# Altium PCB Nestling_2.1.PcbDoc (continued)
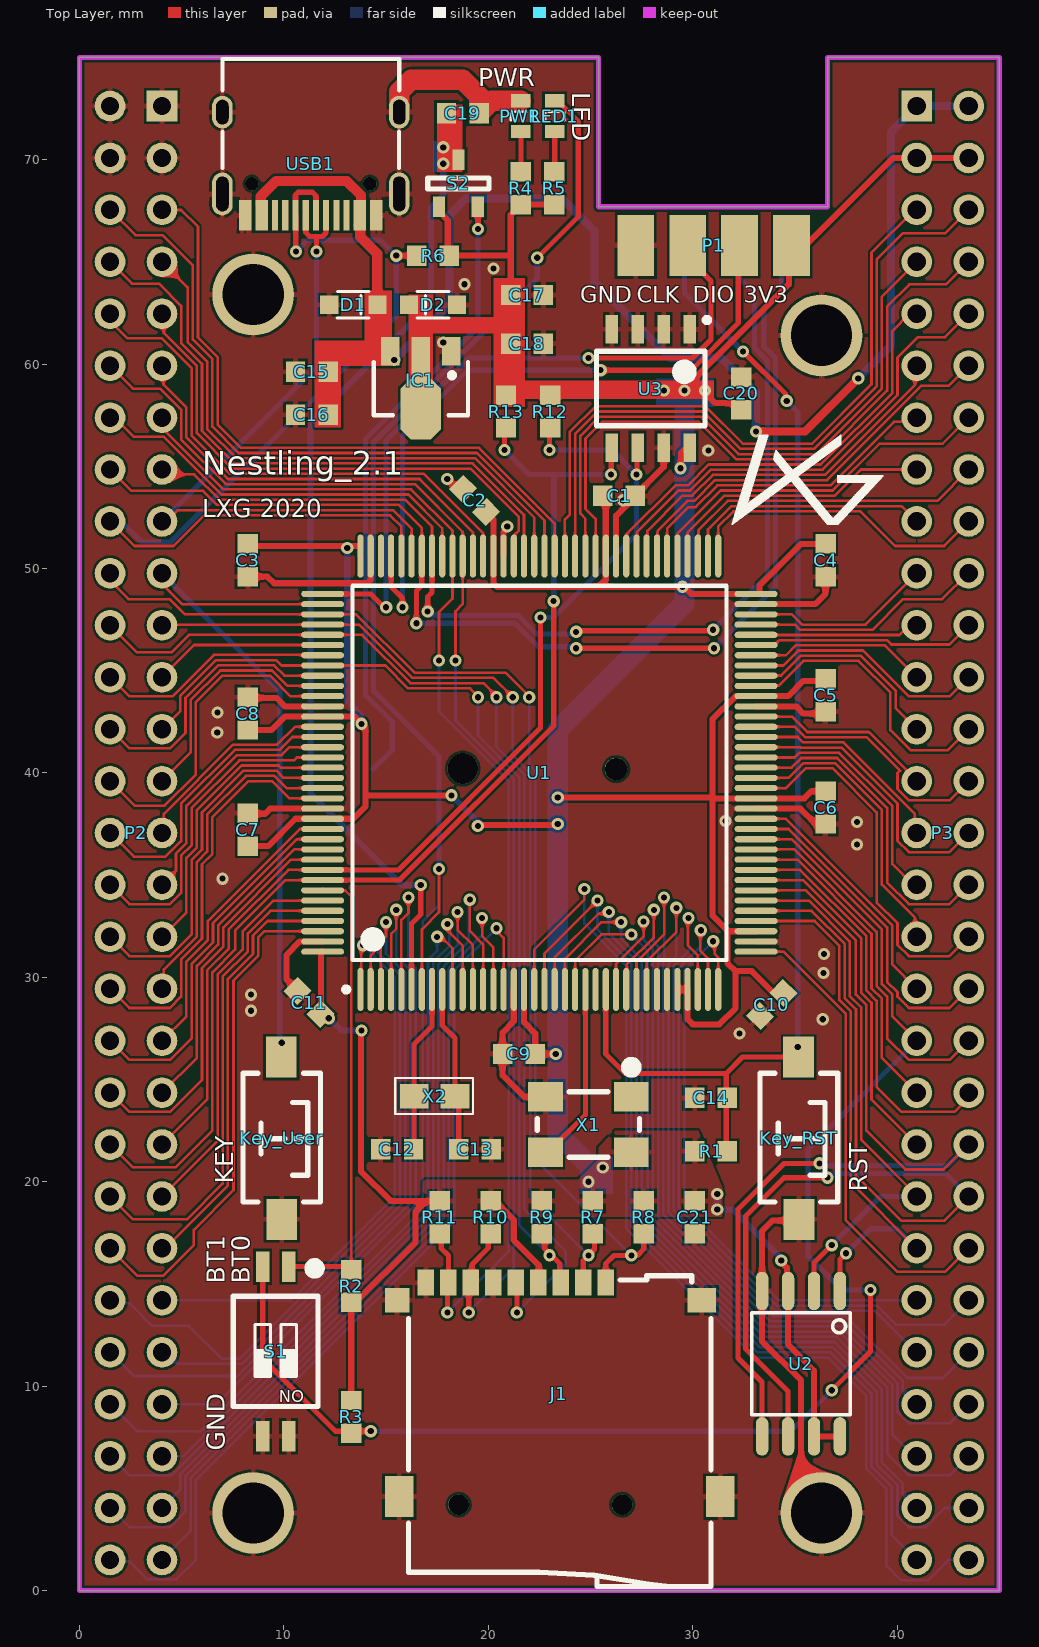
[diagram p0: Top Layer view]
## Nets (pads, with @x,y where several pads share a name; then routed paths per layer and width w, separated by ;. In a path a pad name is that pad's centre, name@x,y a point inside that pad or via, vN(x,y) a via of type N, cw(c..) or ccw(c..) an arc to the next point about the centre after c; other vN are vias at no path point) (continued)
  Bottom Layer w0.254: P2.19 9.8,44 9.8,26.9 v1(9.9,26.8)
"LED PC13": LED1.2 P2.52 U1.7 | length 87.3
  Top Layer w0.127: U1.7 16.75,32.35 17.592,33.192 v1(17.592,35.3)
  Top Layer w0.254: v1(22.4,65.2) 24.4,67.2 24.4,71.874 23.4,72.874 LED1.2 LED1.2@23.1,72.874
  Bottom Layer w0.127: P2.52 2.82,7.8 5.945,7.8 16.8,18.655 16.8,32.754 17.592,33.546 v1(17.592,35.3)
  Bottom Layer w0.254: v1(17.592,35.3) 17.592,40.808 14.381,44.019 14.381,56.159 22.4,64.178 v1(22.4,65.2)
NetB1_1: B1.1 S2.2 | length 30.7
  Top Layer w0.254: S2.2 19.496,67.68 19.496,66.604 v1(19.5,66.6)
  Bottom Layer w0.254: B1.1 15.3,41.122 15.3,42.5 14,43.8 14,56.316 19.5,61.816 v1(19.5,66.6)
NetLED1_1: LED1.1 R5.1 | length 2
  Top Layer w0.254: R5.1 23.25,69.425 LED1.1
NetPWR_1: PWR.1 R4.1 | length 2
  Top Layer w0.254: R4.1 PWR.1
NRST: C14.2 Key_RST.1 P1.7 R1.2 U1.25 | length 59.2
  Top Layer w0.254: U1.25 25.75,26.25 26.7,25.3 31.639,25.3 ; R1.2@31.664,21.485 31.639,21.51 31.639,25.3 ; v1(32.466,60.616) 34.534,58.548 34.534,58.266 v1(34.6,58.2) ; v1(35.141,26.6) 35.141,26.142 35.137,26.139 Key_RST.1@35.176,26.1 ; Key_RST.1 Key_RST.1@35.176,26.1 ; 31.639,25.3 32.439,26.1 Key_RST.1@35.176,26.1
  Bottom Layer w0.254: P1.7 29.6,65.644 29.6,63.482 v1(32.466,60.616) ; v1(34.6,58.2) 35.141,57.659 35.141,27.359 v1(35.141,26.6)
"OS 8M IN": U1.23 X1.3 | length 8.8
  Top Layer w0.254: X1.3 22.925,21.45 24.75,23.275 U1.23
"OS 32K IN": C12.1 U1.8 X2.2 | length 8.2
  Top Layer w0.254: C12.1 16.372,21.614 X2.2 16.372,26.727 17.25,27.605 U1.8
"OS 32K OUT": C13.1 U1.9 X2.1 | length 8.2
  Top Layer w0.254: U1.9 17.75,27.65 18.372,27.028 X2.1 18.553,24.012 C13.1
PA0: P3.49 U1.34 | length 34.7
  Top Layer w0.127: v1(29.8,32.9) 29.75,32.85 29.75,31.572 30.25,31.072 U1.34
  Bottom Layer w0.127: v1(29.8,32.9) 29.8,31.281 29.07,30.551 29.07,18.619 34.003,13.686 38.914,13.686 P3.49@40.95,11.65 ; P3.49 P3.49@40.95,11.65 ; P3.49@40.781,11.481 41.076,11.186 40.486,11.186 P3.49@40.781,11.481 ; P3.49@40.781,11.481 P3.49@40.95,11.65
PA1: P3.48 U1.35 | length 34.1
  Top Layer w0.127: v1(30.4,32.3) 30.362,32.262 30.362,31.319 30.75,30.931 U1.35
  Bottom Layer w0.127: v1(30.4,32.3) 30.4,31.522 29.324,30.446 29.324,18.725 34.109,13.94 39.019,13.94 39.959,13 42.3,13 P3.48
PA2: P3.47 U1.36 | length 29.3
  Top Layer w0.127: v1(31,31.763) 31.082,31.681 31.082,31.138 31.25,30.97 U1.36
  Bottom Layer w0.127: v1(31,31.763) 29.578,30.341 29.578,18.83 34.214,14.194 36.205,14.194 36.211,14.2 P3.47
PA3: P3.46 U1.37 | length 23.3
  Top Layer w0.127: U1.37 34.445,31.255 37.479,28.221 37.479,18.12 40,15.6 42.36,15.6 P3.46
PA4: P3.45 U1.40 U2.1 | length 27.3
  Top Layer w0.127: U1.40 35.962,32.755 37.175,31.542 37.175,28.884 37.733,28.326 37.733,19.967 P3.45
  Top Layer w0.254: U2.1 37.205,16.205 v1(37.5,16.5)
  Bottom Layer w0.254: v1(37.5,16.5) 38.7,17.7 40,17.7 P3.45
PA5: P3.44 U1.41 U2.6 | length 47.6
  Top Layer w0.127: U1.41 35.821,33.255 37.429,31.647 37.429,28.989 37.987,28.431 37.987,20.313 40.2,18.1 42.32,18.1 P3.44
  Top Layer w0.254: U2.6 34.665,9.755 32.6,11.82 32.6,18.332 34.468,20.2 v1(36.6,20.2)
  Bottom Layer w0.254: v1(36.6,20.2) 36.562,20.2 36.478,20.284 36.594,20.4 42.38,20.4 P3.44
PA6: P3.43 U1.42 U2.2 | length 27
  Top Layer w0.127: U1.42 35.68,33.755 37.683,31.752 37.683,29.095 38.241,28.536 38.241,22.059 40.96,19.34 P3.43
  Top Layer w0.254: U2.2 35.935,16.035 v1(36.8,16.9)
  Bottom Layer w0.254: v1(36.8,16.9) 39.18,19.28 P3.43
PA7: P3.42 U1.43 U2.5 | length 46
  Top Layer w0.127: U1.43 35.54,34.255 37.983,31.811 37.983,29.153 38.495,28.641 38.495,22.505 40.4,20.6 42.28,20.6 P3.42
  Top Layer w0.254: U2.5 33.395,10.205 32.219,11.381 32.219,18.658 34.461,20.9 v1(36.2,20.9)
  Bottom Layer w0.254: v1(36.2,20.9) 36.3,20.8 42.48,20.8 P3.42
PA8: P2.14 U1.100 | length 19.9
  Top Layer w0.127: P2.14 1.72,57.38 2.661,56.439 4.128,56.439 6.951,53.616 16.099,53.616 17.75,51.965 U1.100
PA9: P1.6 P2.15 U1.101 | length 53.6
  Top Layer w0.127: P2.15 4.28,54.6 5.608,54.6 6.846,53.362 15.938,53.362 17.25,52.05 U1.101
  Top Layer w0.254: v1(17.037,47.9) 17.037,48.618 17.25,48.831 U1.101 ; v1(24.3,46.9) 24.35,46.95 30.95,46.95 v1(31,47)
  Bottom Layer w0.254: v1(17.037,47.9) 17.237,47.7 21.471,47.7 22.371,46.8 24.2,46.8 v1(24.3,46.9) ; v1(31,47) 33.654,49.654 33.654,60.146 33.02,60.78 33.02,63.482 33.014,63.482 32.296,64.2 P1.6
PA10: P1.5 P2.16 U1.102 | length 58
  Top Layer w0.127: P2.16 2.54,53.8 6.049,53.8 6.741,53.108 15.627,53.108 16.75,51.985 U1.102
  Top Layer w0.254: v1(16.483,47.317) 16.483,48.907 16.75,49.174 U1.102 ; v1(24.3,46.1) v1(31.039,46.1)
  Bottom Layer w0.254: v1(16.483,47.317) 21.315,47.317 22.466,46.166 24.234,46.166 v1(24.3,46.1) ; v1(31.039,46.1) 34.046,49.107 34.046,60.3 33.481,60.865 33.481,62.727 34.358,63.604 34.358,65.322 P1.5
PA11: P2.17 U1.103 USB1.A7 USB1.B7 | length 34.1
  Top Layer w0.127: P2.17 4.262,52.3 4.816,52.854 15.346,52.854 16.25,51.95 U1.103
  Top Layer w0.254: USB1.A7 11.07,66.43 11.265,66.235 11.57,66.235 ; v1(11.6,65.5) 11.6,66.205 11.57,66.235 ; USB1.B7 12.07,66.414 11.891,66.235 11.57,66.235
  Bottom Layer w0.254: P2.17 11.6,59.86 v1(11.6,65.5)
PA12: P2.18 R6.2 U1.104 USB1.A6 USB1.B6 | length 50.3
  Top Layer w0.127: P2.18 2.7,51.1 4.6,51.1 6.1,52.6 15.2,52.6 15.75,52.05 U1.104
  Top Layer w0.254: v1(10.6,65.5) 10.585,65.515 10.585,67.265 USB1.B6 10.57,68.277 10.693,68.4 11.4,68.4 11.57,68.23 USB1.A6 ; v1(15.5,65.3) R6.2
  Bottom Layer w0.254: P2.18 1.738,52.062 2.27,52.062 3.036,51.296 4.456,51.296 15.5,62.34 v1(15.5,65.3) 14.746,66.054 11.154,66.054 v1(10.6,65.5)
PB0: P3.39 U1.46 | length 15.8
  Top Layer w0.127: U1.46 35.117,35.755 38.749,32.123 38.749,29.465 39.257,28.957 39.257,26.063 P3.39
PB1: P3.38 U1.47 | length 17.8
  Top Layer w0.127: U1.47 34.976,36.255 39.003,32.228 39.003,29.57 39.511,29.062 39.511,27.018 40.57,25.959 42.559,25.959 P3.38
PB3: P2.38 U1.133 | length 17.9
  Top Layer w0.127: P2.38 2.441,25.959 4.43,25.959 5.489,27.018 5.489,30.662 6.538,31.711 6.538,32.649 10.644,36.755 U1.133
PB4: P2.39 U1.134 | length 16
  Top Layer w0.127: P2.39 5.743,26.063 5.743,30.556 6.792,31.606 6.792,32.544 10.503,36.255 U1.134
PB5: P2.40 U1.135 | length 19.6
  Top Layer w0.127: P2.40 2.441,23.419 4.43,23.419 5.997,24.986 5.997,30.451 7.046,31.501 7.046,32.439 10.362,35.755 U1.135
PB8: P2.43 U1.139 | length 19.1
  Top Layer w0.127: P2.43 6.759,21.999 6.759,30.136 7.986,31.363 7.986,32.253 9.487,33.755 U1.139
PB9: P2.44 U1.140 | length 23.6
  Top Layer w0.127: P2.44 2.617,18.163 5.263,18.163 7.013,19.913 7.013,30.03 8.24,31.257 8.24,32.148 9.347,33.255 U1.140
PB10: P3.20 U1.69 | length 11.6
  Top Layer w0.127: U1.69 34.994,47.255 35.248,47.001 38.787,47.001 40.286,48.5 42.2,48.5 43.46,49.76 P3.20
PB11: P3.19 U1.70 | length 9.1
  Top Layer w0.127: U1.70 34.853,47.755 35.353,47.255 38.455,47.255 P3.19
PB12: P3.18 U1.73 | length 15.2
  Top Layer w0.127: U1.73 31.25,52.05 31.998,52.798 38.202,52.798 39.9,51.1 42.3,51.1 P3.18
PB13: P3.17 U1.74 | length 12.3
  Top Layer w0.127: U1.74 30.75,51.913 31.889,53.052 40.208,53.052 P3.17
PB14: P3.16 U1.75 | length 15.7
  Top Layer w0.127: U1.75 30.283,50.638 30.283,51.873 31.716,53.306 41.966,53.306 P3.16
PB15: P3.15 U1.76 | length 13.6
  Top Layer w0.127: U1.76 29.75,51.758 31.552,53.56 36.952,53.56 38.232,54.84 P3.15
PC0: P3.53 U1.26 | length 37.7
  Top Layer w0.127: U1.26 26.25,30.656 27.6,32.006 v1(27.6,32.726)
  Bottom Layer w0.127: v1(27.6,32.726) 27.6,31.859 28.054,31.405 28.054,18.199 33.583,12.67 37.152,12.67 39.765,10.057 39.765,7.635 40.82,6.58 P3.53
PC1: P3.52 U1.27 | length 40.2
  Top Layer w0.127: U1.27 26.783,29.438 26.783,30.64 28.1,31.957 v1(28.1,33.3)
  Bottom Layer w0.127: v1(28.1,33.3) 28.1,31.718 28.308,31.51 28.308,18.304 33.688,12.924 37.258,12.924 40.019,10.162 40.019,8.73 40.57,8.179 42.559,8.179 P3.52
PC2: P3.51 U1.28 | length 37.1
  Top Layer w0.127: U1.28 27.25,30.748 28.6,32.098 v1(28.6,33.9)
  Bottom Layer w0.127: v1(28.6,33.9) 28.6,30.8 28.562,30.762 28.562,18.409 33.793,13.178 37.363,13.178 40.273,10.267 40.273,9.807 P3.51
PC3: P3.50 U1.29 | length 38.2
  Top Layer w0.127: U1.29 27.75,30.779 29.2,32.229 v1(29.2,33.4)
  Bottom Layer w0.127: v1(29.2,33.4) 29.2,31.04 28.816,30.656 28.816,18.514 33.898,13.432 37.468,13.432 40.5,10.4 42.24,10.4 P3.50
PC4: P3.41 U1.44 | length 17.5
  Top Layer w0.127: U1.44 35.399,34.755 38.241,31.912 38.241,29.255 38.749,28.747 38.749,24.031 P3.41
PC5: P3.40 U1.45 | length 19.9
  Top Layer w0.127: U1.45 35.258,35.255 38.495,32.017 38.495,29.36 39.003,28.852 39.003,24.642 40.225,23.419 42.8,23.419 43.5,24.119 P3.40
PC6: P2.10 U1.96 | length 26
  Top Layer w0.127: P2.10 1.5,62.1 2.347,61.253 4.037,61.253 5.489,59.802 5.489,56.515 7.372,54.632 16.848,54.632 19.75,51.73 U1.96
PC7: P2.11 U1.97 | length 21.2
  Top Layer w0.127: P2.11 4.176,59.92 4.176,59.684 4.109,59.617 4.109,59.001 5.235,57.875 5.235,56.41 7.267,54.378 16.642,54.378 19.25,51.77 U1.97
PC8: J1.7 P2.12 R10.2 U1.98 | length 66.2
  Top Layer w0.127: P2.12 2.62,58.8 3.95,58.8 4.981,57.77 4.981,56.305 7.162,54.124 16.422,54.124 18.75,51.796 U1.98 18.75,48.25 18.4,47.9 v1(18.4,45.5) ; J1.7@19.044,14.959 J1.7
  Top Layer w0.254: v1(19.044,13.6) J1.7@19.044,14.959 ; J1.7 19.2,15.115 19.2,15.954 20,16.754 20,17.342 R10.2
  Bottom Layer w0.127: v1(18.4,45.5) 18.4,42.559 21.254,39.705 21.254,15.81 v1(19.044,13.6)
PC9: J1.8 P2.13 R11.2 U1.99 | length 62.1
  Top Layer w0.127: P2.13 4.219,57.38 4.219,56.708 7.056,53.87 16.23,53.87 18.25,51.85 U1.99 18.25,48.524 17.592,47.866 v1(17.592,45.5) ; J1.8@18,15.015 J1.8
  Top Layer w0.254: R11.2 17.7,17.389 17.7,16.74 18.05,16.39 J1.8 ; v1(18,13.6) J1.8@18,15.015
  Bottom Layer w0.127: v1(17.592,45.5) 17.592,43.008 21,39.6 21,16.6 v1(18,13.6)
PC10: J1.1 P2.20 R8.2 U1.111 | length 56.5
  Top Layer w0.127: P2.20 1.5,49.4 2.4,48.5 4.412,48.5 5.158,47.754 11.76,47.754 11.768,47.746 11.891,47.746 U1.111 13.541,47.755 16.396,44.9 20.855,44.9 v1@22,43.755 ; J1.1 J1.1@25.8,15.015
  Top Layer w0.254: J1.1 25.75,16 26.15,16.4 v1(27,16.4) 27.3,16.4 27.605,16.705 R8.2
  Bottom Layer w0.127: v1(22,43.7) 22,40.4 22.3,40.1 22.3,21.1 v1(27,16.4)
PC11: J1.2 P2.21 R7.2 U1.112 | length 50.2
  Top Layer w0.127: P2.21 4.075,47.255 U1.112 13.682,47.255 16.291,44.646 20.254,44.646 v1(21.2,43.7) ; J1.2@24.6,15.015 J1.2
  Top Layer w0.254: J1.2 24.65,16.15 25.2,16.7 25.2,17.373 R7.2
  Bottom Layer w0.127: v1(21.2,43.7) 21.2,40.841 22.046,39.995 22.046,19.254 v1(24.9,16.4)
PC12: J1.5 P2.22 U1.113 | length 55
  Top Layer w0.127: P2.22 2.82,45.9 4.5,45.9 5.355,46.755 U1.113 13.823,46.755 16.186,44.392 19.763,44.392 v1@20.4,43.755
  Top Layer w0.254: J1.5 21.4,15.015 v1(21.4,13.6)
  Bottom Layer w0.127: v1(20.4,43.7) 20.4,41.278 21.762,39.916 21.762,18.638 23.8,16.6 23.8,16 v1(21.4,13.6)
PD0: P2.23 U1.114 | length 8.5
  Top Layer w0.127: P2.23 5.615,46.255 U1.114
PD1: P2.24 U1.115 | length 11.6
  Top Layer w0.127: P2.24 2.441,43.739 4.544,43.739 6.576,45.771 11.884,45.771 U1.115
PD2: J1.3 P2.25 R9.2 U1.116 | length 49.6
  Top Layer w0.127: P2.25 4.938,43.038 4.938,43.774 6.681,45.517 9.629,45.517 9.891,45.255 U1.116 14.963,45.255 16.08,44.138 19.117,44.138 v1@19.5,43.755 ; J1.3@23.5,15.015 J1.3
  Top Layer w0.254: R9.2 22.765,17.314 22.765,16.735 23.5,16 23.5,15.115 J1.3
  Bottom Layer w0.127: v1(19.5,43.7) 19.5,41.818 21.508,39.81 21.508,17.892 v1(23,16.4)
PD3: P2.26 U1.117 | length 13.7
  Top Layer w0.127: P2.26 2.441,41.199 4.43,41.199 5.192,41.962 5.192,43.669 6.786,45.263 9.524,45.263 10.032,44.755 U1.117
PD4: P2.27 U1.118 | length 11.9
  Top Layer w0.127: P2.27 5.446,41.006 5.446,43.564 6.891,45.009 9.419,45.009 10.173,44.255 U1.118
PD5: P2.28 U1.119 | length 16
  Top Layer w0.127: P2.28 2.7,38.4 4.17,38.4 5.7,39.93 5.7,43.458 6.997,44.755 9.314,44.755 10.314,43.755 U1.119
PD6: P2.29 U1.122 | length 10.5
  Top Layer w0.127: P2.29 4.13,37.15 4.13,38.001 7.507,41.378 9.678,41.378 10.555,42.255 U1.122
PD7: P2.30 U1.123 | length 14.4
  Top Layer w0.127: P2.30 2.66,35.9 4.21,35.9 4.981,36.67 4.981,38.492 7.612,41.124 9.783,41.124 10.414,41.755 U1.123
PD8: P3.14 U1.77 | length 17.7
  Top Layer w0.127: U1.77 29.25,51.704 31.36,53.814 36.847,53.814 39.133,56.1 42.22,56.1 P3.14
PD9: P3.13 U1.78 | length 15.8
  Top Layer w0.127: U1.78 28.75,51.948 29.802,53 30.137,53 31.205,54.068 36.742,54.068 39.844,57.17 40.75,57.17 P3.13
PD10: P3.12 U1.79 | length 19.8
  Top Layer w0.127: U1.79 28.283,50.638 28.283,51.84 29.749,53.306 30.084,53.306 31.1,54.322 36.572,54.322 41.179,58.929 42.509,58.929 P3.12
PD11: P3.11 U1.80 | length 18.3
  Top Layer w0.127: U1.80 27.783,50.638 27.783,51.84 29.503,53.56 29.978,53.56 30.994,54.576 36.467,54.576 40.87,58.979 40.87,59.83 P3.11
PD12: P3.10 U1.81 | length 22.9
  Top Layer w0.127: U1.81 27.283,50.638 27.283,51.783 29.314,53.814 29.873,53.814 30.889,54.83 36.362,54.83 40.019,58.488 40.019,60.31 41.021,61.311 42.351,61.311 P3.10
PD13: P3.9 U1.82 | length 21.5
  Top Layer w0.127: U1.82 26.75,51.65 29.168,54.068 29.768,54.068 30.784,55.084 36.256,55.084 39.765,58.593 39.765,61.611 40.614,62.46 P3.9
PD14: P3.8 U1.85 | length 32.2
  Top Layer w0.127: U1.85 25.25,52.428 24.758,52.92 24.758,56.358 25.57,57.17 30.303,57.17 32.135,55.338 36.151,55.338 39.511,58.698 39.511,62.811 40.6,63.9 42.4,63.9 P3.8
PD15: P3.7 U1.86 | length 30.1
  Top Layer w0.127: U1.86 24.75,52.432 24.504,52.678 24.504,56.478 25.45,57.424 30.408,57.424 32.24,55.592 36.046,55.592 39.257,58.804 39.257,63.297 P3.7
PE0: P2.45 U1.141 | length 20.9
  Top Layer w0.127: P2.45 4.199,16.74 7.267,19.807 7.267,29.925 8.494,31.152 8.494,32.043 9.206,32.755 U1.141
PE1: P2.46 U1.142 | length 24.9
  Top Layer w0.127: P2.46 2.84,15.4 4.1,15.4 5.6,16.9 5.6,17.649 7.54,19.589 7.54,29.839 8.748,31.047 8.748,31.938 9.065,32.255 U1.142
PE2: P2.47 U1.1 | length 28.6
  Top Layer w0.127: U1.1 13.783,29.438 13.783,31.485 v1(13.87,31.572)
  Bottom Layer w0.127: P2.47 10.349,14.2 15.43,19.281 15.43,30.012 v1(13.87,31.572)
PE3: P2.48 U1.2 | length 34.8
  Top Layer w0.127: U1.2 14.25,31.061 14.4,31.211 v1(14.4,32.098)
  Bottom Layer w0.127: P2.48 1.64,14.059 2.441,14.059 3.547,12.953 5.347,12.953 6.954,11.346 7.854,11.346 15.684,19.176 15.684,30.118 14.4,31.402 v1(14.4,32.098)
PE4: P2.49 U1.3 | length 32.9
  Top Layer w0.127: U1.3 14.75,31.755 15,32.005 v1(15,32.7)
  Bottom Layer w0.127: P2.49 4.234,11.66 4.802,11.092 7.959,11.092 15.938,19.071 15.938,30.223 15,31.161 v1(15,32.7)
PE5: P2.50 U1.4 | length 37.3
  Top Layer w0.127: U1.4 15.254,29.409 15.254,32.123 15.5,32.369 v1(15.5,33.3)
  Bottom Layer w0.127: P2.50 2.66,10.5 7.726,10.5 16.192,18.966 16.192,30.328 15.5,31.02 v1(15.5,33.3)
PE6: P2.51 U1.5 | length 36.3
  Top Layer w0.127: U1.5 15.754,29.409 15.754,32.804 16.1,33.15 v1(16.1,33.9)
  Bottom Layer w0.127: P2.51 6.706,9.12 16.446,18.86 16.446,30.433 16.1,30.779 v1(16.1,33.9)
PE7: P3.29 U1.58 | length 10.3
  Top Layer w0.127: U1.58 35.136,41.755 35.399,41.492 37.379,41.492 40.87,38.001 40.87,37.15 P3.29
PE8: P3.28 U1.59 | length 13
  Top Layer w0.127: U1.59 34.995,42.255 35.504,41.746 38.509,41.746 40.143,40.113 40.019,39.99 40.019,39.21 40.57,38.659 42.559,38.659 P3.28
PE9: P3.27 U1.60 | length 9.3
  Top Layer w0.127: U1.60 34.854,42.755 35.609,42 38.614,42 40.781,39.833 40.781,39.6 P3.27
PE10: P3.26 U1.63 | length 14.2
  Top Layer w0.127: U1.63 34.189,44.255 35.411,45.477 38.115,45.477 39.67,43.922 39.67,42.1 40.67,41.1 42.46,41.1 P3.26
PE11: P3.25 U1.64 | length 10.3
  Top Layer w0.127: U1.64 34.33,44.755 35.306,45.731 38.22,45.731 39.924,44.027 39.924,43.176 P3.25
PE12: P3.24 U1.65 | length 12
  Top Layer w0.127: U1.65 34.442,45.255 35.172,45.985 38.325,45.985 40.57,43.739 42.559,43.739 P3.24
PE13: P3.23 U1.66 | length 8.7
  Top Layer w0.127: U1.66 34.555,45.755 35.039,46.239 39.401,46.239 P3.23
PE14: P3.22 U1.67 | length 11
  Top Layer w0.127: U1.67 34.006,46.255 34.244,46.493 39.506,46.493 39.72,46.279 42.559,46.279 P3.22
PE15: P3.21 U1.68 | length 8.1
  Top Layer w0.127: U1.68 33.108,46.747 40.115,46.747 40.588,47.22 P3.21
PF0: P2.53 U1.10 | length 34.6
  Top Layer w0.127: v1(17.5,31.98) 17.692,31.98 18.25,31.422 U1.10
  Bottom Layer w0.127: P2.53 5.084,6.58 17.054,18.55 17.054,30.85 17.5,31.296 v1(17.5,31.98)
PF1: P2.54 U1.11 | length 39.7
  Top Layer w0.127: v1(18,32.6) 18,32.3 18.75,31.55 U1.11
  Bottom Layer w0.127: P2.54 2.441,5.639 4.503,5.639 17.308,18.445 17.308,30.745 18.1,31.537 18.1,32.5 18.2,32.6 v1(18,32.6)
PF2: P2.55 U1.12 | length 39.3
  Top Layer w0.127: v1(18.5,33.2) 18.5,32.322 19.25,31.572 U1.12
  Bottom Layer w0.127: P2.55 4.938,4.938 4.938,5.716 17.562,18.34 17.562,30.64 18.5,31.578 v1(18.5,33.2)
PF3: P2.56 U1.13 | length 44.8
  Top Layer w0.127: v1(19.1,33.8) 19.1,32.259 19.75,31.609 U1.13
  Bottom Layer w0.127: P2.56 2.441,3.099 4.43,3.099 5.192,3.862 5.192,5.61 17.816,18.234 17.816,30.534 19.044,31.763 19.044,33.744 v1(19.1,33.8)
PF4: P2.57 U1.14 | length 41.6
  Top Layer w0.127: v1(19.7,32.9) 19.7,32.018 20.25,31.468 U1.14
  Bottom Layer w0.127: P2.57 5.446,2.906 5.446,5.505 18.07,18.129 18.07,30.429 19.7,32.059 v1(19.7,32.9)
PF5: P2.58 U1.15 | length 45.1
  Top Layer w0.127: v1(20.4,32.4) 20.4,32.272 20.75,31.922 U1.15
  Bottom Layer w0.127: P2.58 1.575,1.425 2.441,1.425 3.306,0.559 4.759,0.559 5.7,1.5 5.7,5.4 18.324,18.024 18.324,30.324 v1(20.4,32.4)
PF6: P3.58 U1.18 | length 52
  Top Layer w0.127: U1.18 22.25,31.354 24.7,33.804 v1(24.7,34.321)
  Bottom Layer w0.127: v1(24.7,34.321) 24.7,32.629 26.746,30.583 26.746,17.711 33.056,11.4 36.626,11.4 38.495,9.531 38.495,5.961 39.476,4.981 39.476,1.224 40.2,0.5 41.514,0.5 42.514,1.5 P3.58
PF7: P3.57 U1.19 | length 46.2
  Top Layer w0.127: U1.19 22.75,31.16 v1(25.345,33.755)
  Bottom Layer w0.127: v1(25.345,33.755) 25.345,32.343 27,30.688 27,17.816 33.162,11.654 36.732,11.654 38.749,9.636 38.749,6.066 39.73,5.086 39.73,2.73 P3.57
PF8: P3.56 U1.20 | length 46.7
  Top Layer w0.127: U1.20 23.25,30.973 25.386,33.109 25.809,33.109 v1(25.9,33.2)
  Bottom Layer w0.127: v1(25.9,33.2) 25.9,32.147 27.254,30.793 27.254,17.921 33.267,11.908 36.837,11.908 39.003,9.741 39.003,6.171 40.019,5.155 40.019,3.65 40.57,3.099 41.35,3.099 41.364,3.114 41.379,3.099 42.32,4.04 P3.56
PF9: P3.55 U1.21 | length 41.7
  Top Layer w0.127: U1.21 23.75,30.905 25.545,32.7 v1(26.5,32.7)
  Bottom Layer w0.127: v1(26.5,32.7) 26.5,31.906 27.508,30.898 27.508,18.026 33.372,12.162 36.942,12.162 39.257,9.846 39.257,6.277 40.273,5.261 40.273,4.727 P3.55
PF10: P3.54 U1.22 | length 42.2
  Top Layer w0.127: U1.22 24.25,30.81 25.54,32.1 v1(27,32.1)
  Bottom Layer w0.127: v1(27,32.1) 27.8,31.3 27.8,18.093 33.477,12.416 37.047,12.416 39.511,9.952 39.511,6.698 40.57,5.639 42.559,5.639 P3.54
PF11: P3.36 U1.49 | length 16.1
  Top Layer w0.127: U1.49 34.695,37.255 39.511,32.438 39.511,29.781 40.019,29.273 40.019,29.05 40.57,28.499 42.559,28.499 P3.36
PF12: P3.35 U1.50 | length 12.4
  Top Layer w0.127: U1.50 34.554,37.755 39.765,32.544 39.765,30.635 P3.35
PF13: P3.34 U1.53 | length 18.2
  Top Layer w0.127: U1.53 34.555,39.255 35.522,40.222 36.853,40.222 39.003,38.071 39.003,33.665 40.019,32.649 40.019,31.59 40.57,31.039 42.559,31.039 P3.34
PF14: P3.33 U1.54 | length 14.3
  Top Layer w0.127: U1.54 34.696,39.755 35.417,40.476 36.958,40.476 39.257,38.176 39.257,34.533 40.87,32.921 40.87,32.07 P3.33
PF15: P3.32 U1.55 | length 16.1
  Top Layer w0.127: U1.55 34.837,40.255 35.312,40.73 37.063,40.73 39.511,38.282 39.511,34.638 40.57,33.579 42.559,33.579 P3.32
PG0: P3.31 U1.56 | length 12.3
  Top Layer w0.127: U1.56 34.977,40.755 35.206,40.984 37.168,40.984 39.765,38.387 39.765,35.535 40.78,34.52 P3.31
PG1: P3.30 U1.57 | length 14
  Top Layer w0.127: U1.57 33.108,41.263 35.268,41.263 35.293,41.238 37.274,41.238 40.019,38.492 40.019,36.67 40.57,36.119 42.559,36.119 P3.30
PG2: P3.6 U1.87 | length 34.9
  Top Layer w0.127: U1.87 24.25,56.583 25.345,57.678 30.513,57.678 32.345,55.846 35.941,55.846 39.003,58.909 39.003,65.103 40.3,66.4 42.36,66.4 P3.6
PG3: P3.5 U1.88 | length 32.9
  Top Layer w0.127: U1.88 23.75,52.4 23.996,52.646 23.996,56.689 25.24,57.932 30.618,57.932 32.451,56.1 35.835,56.1 38.749,59.014 38.749,65.449 40.84,67.54 P3.5
PG4: P2.5 U1.89 | length 32.3
  Top Layer w0.127: P2.5 4.043,67.536 4.981,67.536 5.8,66.717 5.8,61.3 6.759,60.341 6.759,57.041 7.898,55.902 19.552,55.902 23.25,52.204 U1.89
PG5: P2.6 U1.90 | length 33.3
  Top Layer w0.127: P2.6 2.74,66.3 4.07,66.3 5.546,64.824 5.546,61.195 6.505,60.236 6.505,56.936 7.793,55.648 19.447,55.648 22.75,52.345 U1.90
PG6: P2.7 U1.91 | length 28.8
  Top Layer w0.127: P2.7 5.292,63.748 5.292,61.076 6.251,60.117 6.251,56.831 7.688,55.394 19.341,55.394 22.25,52.485 U1.91
PG7: P2.8 U1.92 | length 30.4
  Top Layer w0.127: P2.8 2.569,63.931 3.899,63.931 4.981,62.85 4.981,61.028 5.997,60.012 5.997,56.726 7.582,55.14 19.236,55.14 21.75,52.626 U1.92
PG8: P2.9 U1.93 | length 25.1
  Top Layer w0.127: P2.9 4.13,62.37 4.13,61.519 5.743,59.907 5.743,56.621 7.477,54.886 19.131,54.886 21.496,52.521 21.496,51.86 21.25,51.614 U1.93@21.25,51.505
PG9: P2.31 U1.124 | length 12.2
  Top Layer w0.127: P2.31 4.727,35.207 4.727,36.057 5.235,36.565 5.235,38.387 7.718,40.87 9.888,40.87 10.265,41.247 11.892,41.247 U1.124
PG10: P2.32 U1.125 | length 15.9
  Top Layer w0.127: P2.32 2.441,33.579 4.43,33.579 4.981,34.13 4.981,35.952 5.489,36.46 5.489,38.282 7.823,40.616 10.5,40.616 10.639,40.755 U1.125
PG11: P2.33 U1.126 | length 14
  Top Layer w0.127: P2.33 5.235,33.175 5.235,35.847 5.743,36.355 5.743,38.176 7.928,40.362 9.748,40.362 9.855,40.255 U1.126
PG12: P2.34 U1.127 | length 17.9
  Top Layer w0.127: P2.34 2.441,31.039 4.43,31.039 5.489,32.098 5.489,35.742 5.997,36.25 5.997,38.071 8.033,40.108 9.642,40.108 9.995,39.755 U1.127
PG13: P2.35 U1.128 | length 16.1
  Top Layer w0.127: P2.35 4.13,29.53 4.13,30.381 5.743,31.993 5.743,35.636 6.251,36.144 6.251,37.966 8.139,39.854 9.537,39.854 10.136,39.255 U1.128
PG14: P2.36 U1.129 | length 20
  Top Layer w0.127: P2.36 2.441,28.499 4.43,28.499 4.981,29.05 4.981,30.872 5.997,31.888 5.997,35.531 6.505,36.039 6.505,37.838 8.267,39.6 9.432,39.6 10.277,38.755 U1.129
PG15: P2.37 U1.132 | length 14.3
  Top Layer w0.127: P2.37 5.235,28.095 5.235,30.767 6.284,31.816 6.284,32.754 10.785,37.255 U1.132
"SWCLK PA14": P1.3 U1.109 | length 34.5
  Top Layer w0.254: U1.109 11.909,48.746 14.254,48.746 14.9,48.1 v1(15.006,48.1) ; v1(24.9,60.3) 29.989,60.3 30.889,61.2 30.889,64.067 29.756,65.2 P1.3
  Bottom Layer w0.254: v1(15.006,48.1) 15.006,56.245 19.061,60.3 v1(24.9,60.3)
"SWDIO PA13": P1.2 U1.105 | length 33.7
  Top Layer w0.254: U1.105 15.25,49.105 15.8,48.555 v1(15.8,48.1) ; v1(25.5,59.7) 29.928,59.7 32.228,62 32.228,65.732 P1.2
  Bottom Layer w0.254: v1(15.8,48.1) 15.8,56.5 19,59.7 v1(25.5,59.7)
VBAT: C19.1 S2.3 U1.6 | length 48.6
  Top Layer w0.254: U1.6 16.25,32.621 16.7,33.071 v1(16.7,34.52)
  Top Layer w0.3: C19.1 17.958,70.768 18.542,70.184 S2.3
  Bottom Layer w0.3: v1(16.7,34.52) 15.78,34.52 11.3,39 11.3,57.1 17.2,63 17.2,67.663 17.8,68.263 v1(17.8,69.8)
  other v1: 17.8,70.6
pads on no net: B1.0 J1.0 U1.24 U1.106 USB1.0 USB1.A5 USB1.A8 USB1.B5 USB1.B8 X1.1

## Polygon pours and split planes (outlines as drawn)
GND on Top Layer "Top GND" (solid, pour order 18): 0,0 0,75 25.4,75 25.4,67.691 36.6,67.691 36.6,75 45,75 45,0
3V3 on Top Layer "Top Layer-3V3" (solid, pour order 4): 16.823,20 16.923,20.1 24.4,20.1 25.4,21.1 25.4,21.7 26.2,22.5 30.269,22.5 31.437,19.725 31.437,18.3 30.496,18.3 16.75,18.3
GND on Top Layer "Top Layer-GND 4" (solid, pour order 0): 6.2,9 6.3,9.1 10.6,9.1 12,7.7 12,6.4 14.4,6.4 14.9,6.9 14.9,15.065 15.935,16.1 16.95,16.1 17.4,15.65 17.4,12.8 19.4,12.8 20,13.4 20,15.6 20.3,15.6 20.6,15.3 20.6,13.217 21.017,12.8 28.797,12.8 28.797,17.3 30.9,17.3 31.7,16.863 31.7,3.4 17.95,3.4 15.65,1.1 6.705,1.1 5.9,1.904 5.9,8.6
GND on Top Layer "Top Layer-GND" (solid, pour order 14): 14.2,66.5 14.2,70 16.4,70 16.5,69.9 16.5,66.717 16.283,66.5
GND on Top Layer "Top Layer-GND 1" (solid, pour order 12): 8.43,66.6 8.4,66.63 8.4,69.851 8.351,69.9 5.997,69.9 5.997,67.108 6.505,66.6
GND on Top Layer "Top Layer-GND 2" (solid, pour order 6): 0.5,74.1 15.8,74.1 16.5,73.4 16.5,68.5 16.2,68.2 15,69.4 8,69.4 7.1,68.5 7.1,67.7 6.5,67.7 5.2,69 0.9,69 0.3,69.6 0.3,73.7
GND on Top Layer "Top Layer-GND 3" (solid, pour order 2): 31.4,6.3 31.5,6.2 38.191,6.2 39.003,5.388 39.003,2.203 37.4,0.6 7.189,0.6 6.7,1.089 6.7,1.4
GND on Bottom Layer "BOTTOM GND" (solid, pour order 19): 0,0 0,75 25.4,75 25.4,67.691 36.6,67.691 36.6,75 45,75 45,0

## Keep-outs
Keep-Out Layer:
  the board outline again, w0.254

## Other copper
Top Layer:
  rectangle net VBAT: 17.5,69.4 18.75,72.7
  rectangle net 3V3: 21.1,58.3 31.039,59.2
  rectangle net 3V3: 16.1,58.7 17.3,63.4
  rectangle net 5V: 13.945,59.9 15.3,63.6
  rectangle net 3V3: 20.25,57.9 21.8,64.2
  rectangle net 3V3: 16.231,61.5 21.7,62.3
  rectangle net 5V: 11.5,59.907 15.191,61.142
  rectangle net 5V: 11.5,56.9 12.8,60.3
Bottom Layer:
  rectangle net VBAT: 17.3,69.4 18.3,70.9
  rectangle net 3V3: 24.5,19.4 26.1,21.245
  rectangle net 3V3: 28.2,57.9 31.039,59.3

## Silkscreen, mask and mechanical layers (free items; w line width, h text height)
Top Overlay:
  drawing of 1403 lines, arcs and shapes, not listed
  text "PWR" at 19.5,73.6 h0.9
  text "LED" at 24.105,73.3 h0.9 r270
  text "GND" at 24.5,63 h0.8
  text "CLK" at 27.254,63 h0.8
  text "DIO" at 30.015,63 h0.8
  text "3V3" at 32.5,63 h0.8
  text "Nestling_2.1" at 6,54.2 h2
  text "LXG 2020" at 6,52.2 h1.5
  text "KEY" at 7.53,19.9 h0.9 r90
  text "RST" at 38.53,19.5 h0.9 r90
  text "BT1" at 7.1,15 h0.9 r90
  text "BT0" at 8.33,15 h0.9 r90
  text "GND" at 7.1,6.844 h0.9 r90
Bottom Overlay:
  drawing of 1403 lines, arcs and shapes, not listed
  text "GND->" at 11.713,72.2 h0.8
  text "5V" at 39.5,72.22 h0.8
  text "3V3" at 39.5,69.7 h0.8
  text "GND->" at 11.713,69.661 h0.8
  text "<G2" at 39.6,67.5 h0.8
  text "G4 G5->" at 13.7,67.1 h0.8
  text "G3" at 38,66.4 h0.8
  text "<D14" at 39.6,65 h0.8
  text "G6 G7->" at 16.512,64.582 h0.8
  text "D15" at 38.1,63.9 h0.8
  text "GND" at 26.9,63.2 h0.8
  text "RST" at 29.88,63.2 h0.8
  text "TX" at 32.2,63.2 h0.8
  text "RX" at 34.5,63.2 h0.8
  text "G8 C6->" at 16.512,62.043 h0.8
  text "<-D12 D13" at 33.7,61.5 h0.8
  text "C7 C8(TF)->" at 13.845,59.504 h0.8
  text "<-D10 D11" at 33.7,59.5 h0.8
  text "<-D8 D9" at 39.5,57 h0.8
  text "C9(TF) A8->" at 13.845,56.964 h0.8
  text "<-B14 B15" at 39.5,54.6 h0.8
  text "A9 A10->" at 11.579,54.425 h0.8
  text "A11(USB-) A12(USB+)->" at 21.175,51.886 h0.8
  text "<-B12 B13" at 39.5,51.8 h0.8
  text "A15(KEY) C10(TF)->" at 18.91,49.446 h0.8
  text "<-B10 B11" at 39.5,49.265 h0.8
  text "C11(TF) C12(TF)->" at 18.004,47.6 h0.8
  text "<-E14 E15" at 39.5,46.73 h0.8
  text "D0 D1->" at 10.779,44.268 h0.8
  text "<-E12 E13" at 39.5,44.195 h0.8
  text "D2(TF) D3->" at 13.845,41.729 h0.8
  text "<-E10 E11" at 39.5,41.66 h0.8
  text "D4 D5->" at 10.912,39.189 h0.8
  text "<-E8 E9" at 39.5,39.125 h0.8
  text "D6 D7->" at 10.912,36.65 h0.8
  text "<-G1 E7" at 39.5,36.59 h0.8
  text "G9 G10->" at 11.579,34.111 h0.8
  text "<-F15 G0" at 39.5,34.055 h0.8
  text "G11 G12->" at 12.112,31.571 h0.8
  text "<-F13 F14" at 39.5,31.52 h0.8
  text "G13 G14->" at 12.245,29.032 h0.8
  text "<-F11 F12" at 39.5,28.985 h0.8
  text "G15 B3->" at 11.579,26.493 h0.8
  text "<-B1 B2(BT1)" at 39.5,26.45 h0.8
  text "Nestling_2.1" at 28.028,26.324 h2
  text "LXG 2020" at 25.928,24.024 h1.5
  text "B4 B5->" at 10.912,23.954 h0.8
  text "<-C5 B0" at 39.5,23.915 h0.8
  text "B6(EEPROM) B7(EEPROM)->" at 23.175,21.414 h0.8
  text "<-A7(FLASH) C4" at 39.5,21.38 h0.8
  text "B8 B9->" at 10.912,18.875 h0.8
  text "<-A5(FLASH) A6(FLASH)" at 39.5,18.845 h0.8
  text "E0 E1->" at 10.779,16.336 h0.8
  text "<-A3 A4(FLASH)" at 39.5,16.31 h0.8
  text "E2 E3->" at 10.912,13.796 h0.8
  text "<-A1 A2" at 39.5,13.775 h0.8
  text "E4 E5->" at 10.912,11.257 h0.8
  text "<-C3 A0" at 39.5,11.24 h0.8
  text "E6 C13(LED)->" at 15.311,8.718 h0.8
  text "<-C1 C2" at 39.5,8.705 h0.8
  text "F0 F1->" at 10.779,6.179 h0.8
  text "<-F10 C0" at 39.5,6.17 h0.8
  text "F2 F3->" at 16.512,3.639 h0.8
  text "<-F8 F9" at 33.6,3.6 h0.8
  text "<-F6 F7" at 33.6,1.2 h0.8
  text "F4 F5->" at 16.512,1.1 h0.8

## Dimensions
0,0 to 45,0 on Mechanical 1
0,0 to 0,75 on Mechanical 1
25.4,75 to 45,75 on Mechanical 1
45,75 to 36.6,75 on Mechanical 1
15.645,74.92 to 0,75 on Mechanical 1
6.995,74.92 to 0,75 on Mechanical 1
43.5,1.5 to 45,0 on Mechanical 1
43.5,1.5 to 45,0 on Mechanical 1
1.5,1.5 to 0,0 on Mechanical 1
1.5,1.5 to 0,0 on Mechanical 1

## Text inside footprints (layer, text, board x,y; h text height)
S1: Top Overlay "ON" at 10.997,10.004 h1 r180